# Altium PCB DIOT_temperature_logger.PcbDoc (part 1 of 8)
Units mm, origin at the board's own origin, x right, y up, seen from the top; angles counter-clockwise.
Board outline 300.88 x 109 mm, 4 copper layers (TOP, MID1, MID2, BOT), stack 1.564 mm thick; 654 components, 622 nets, 3422 pads, 1095 vias.
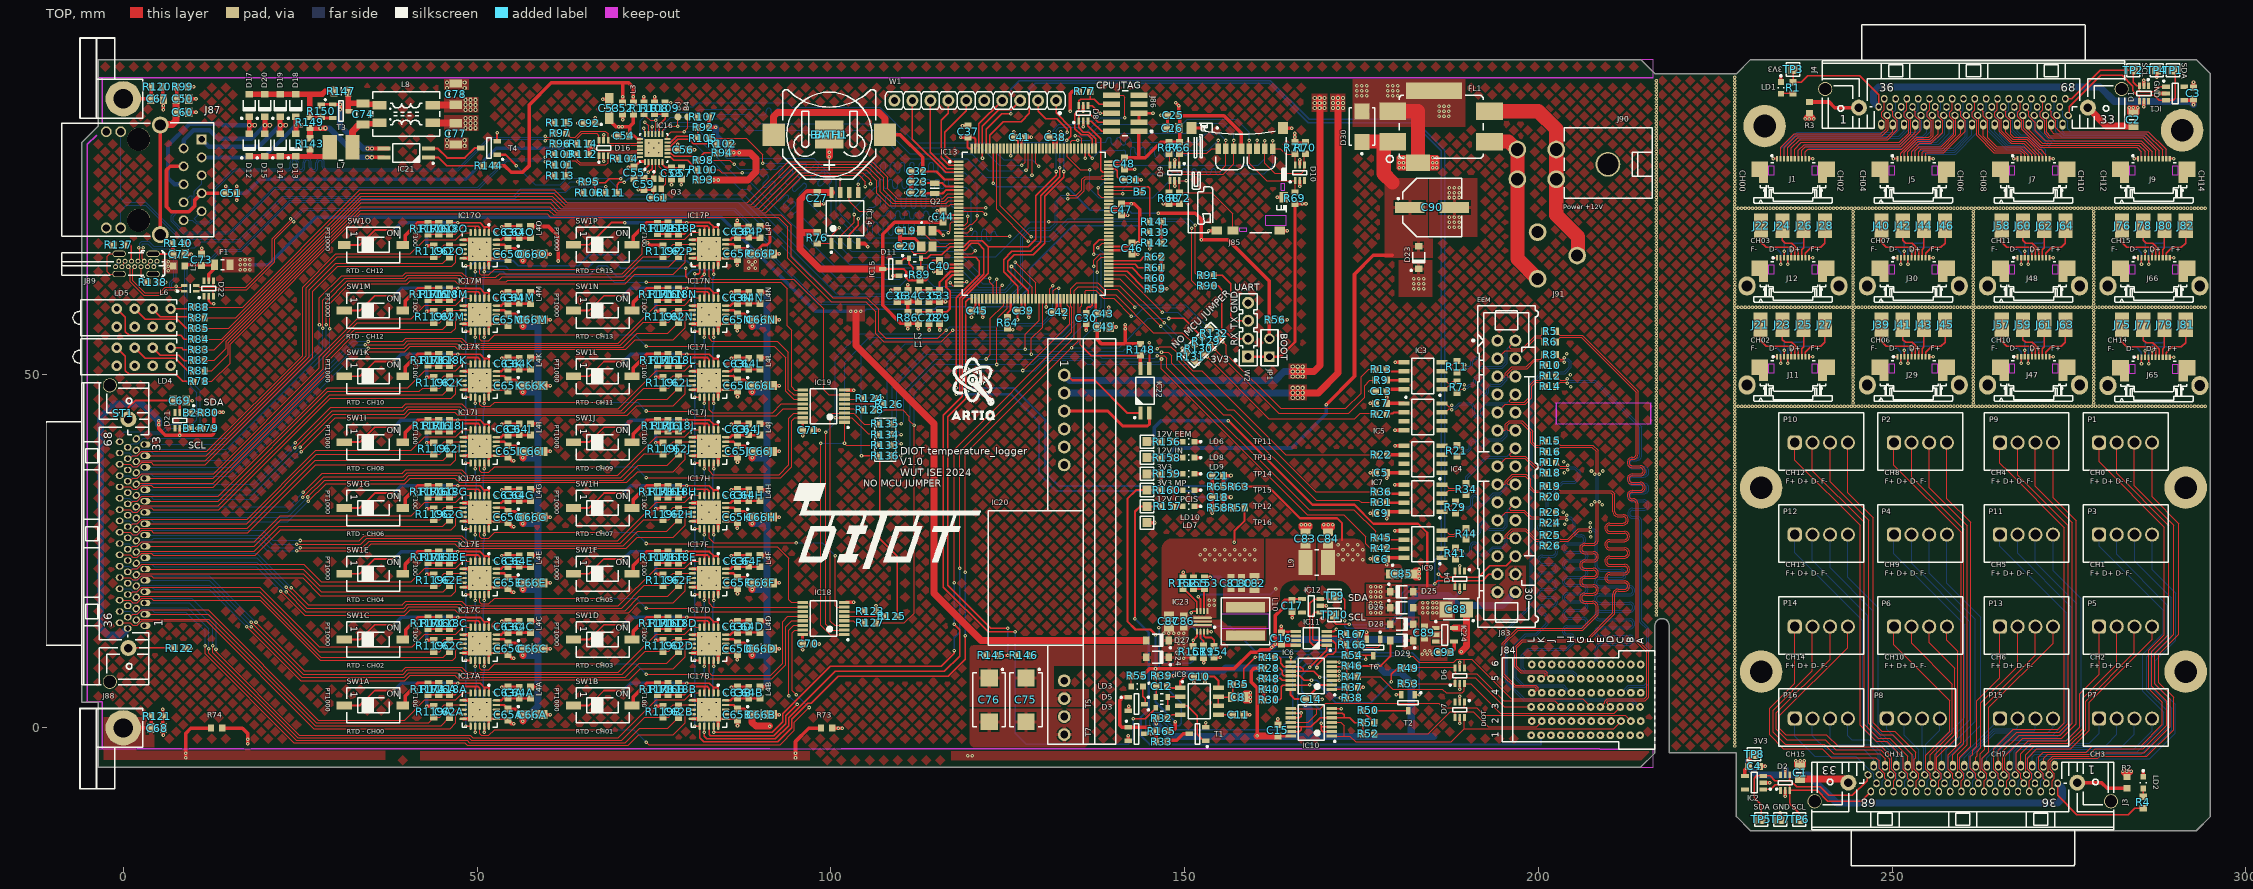
[diagram p0: TOP view]
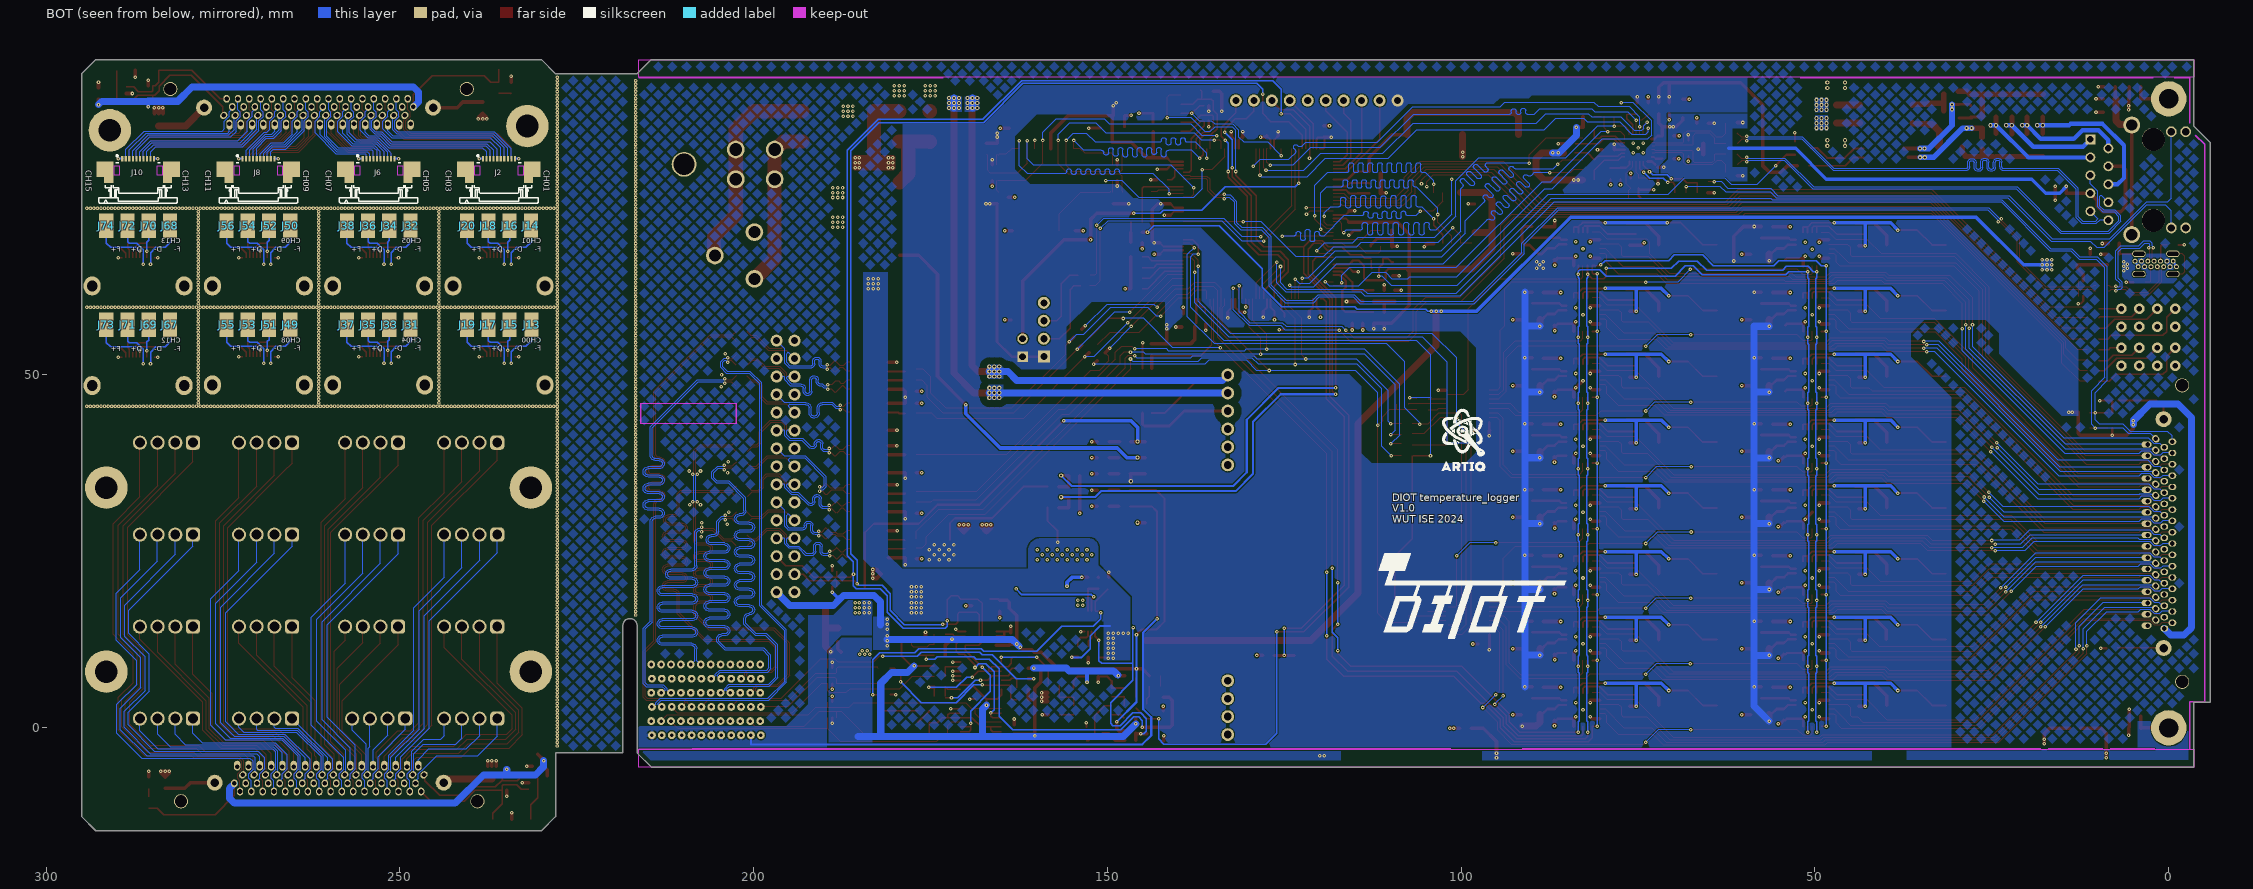
[diagram p1: BOT view, seen from below]
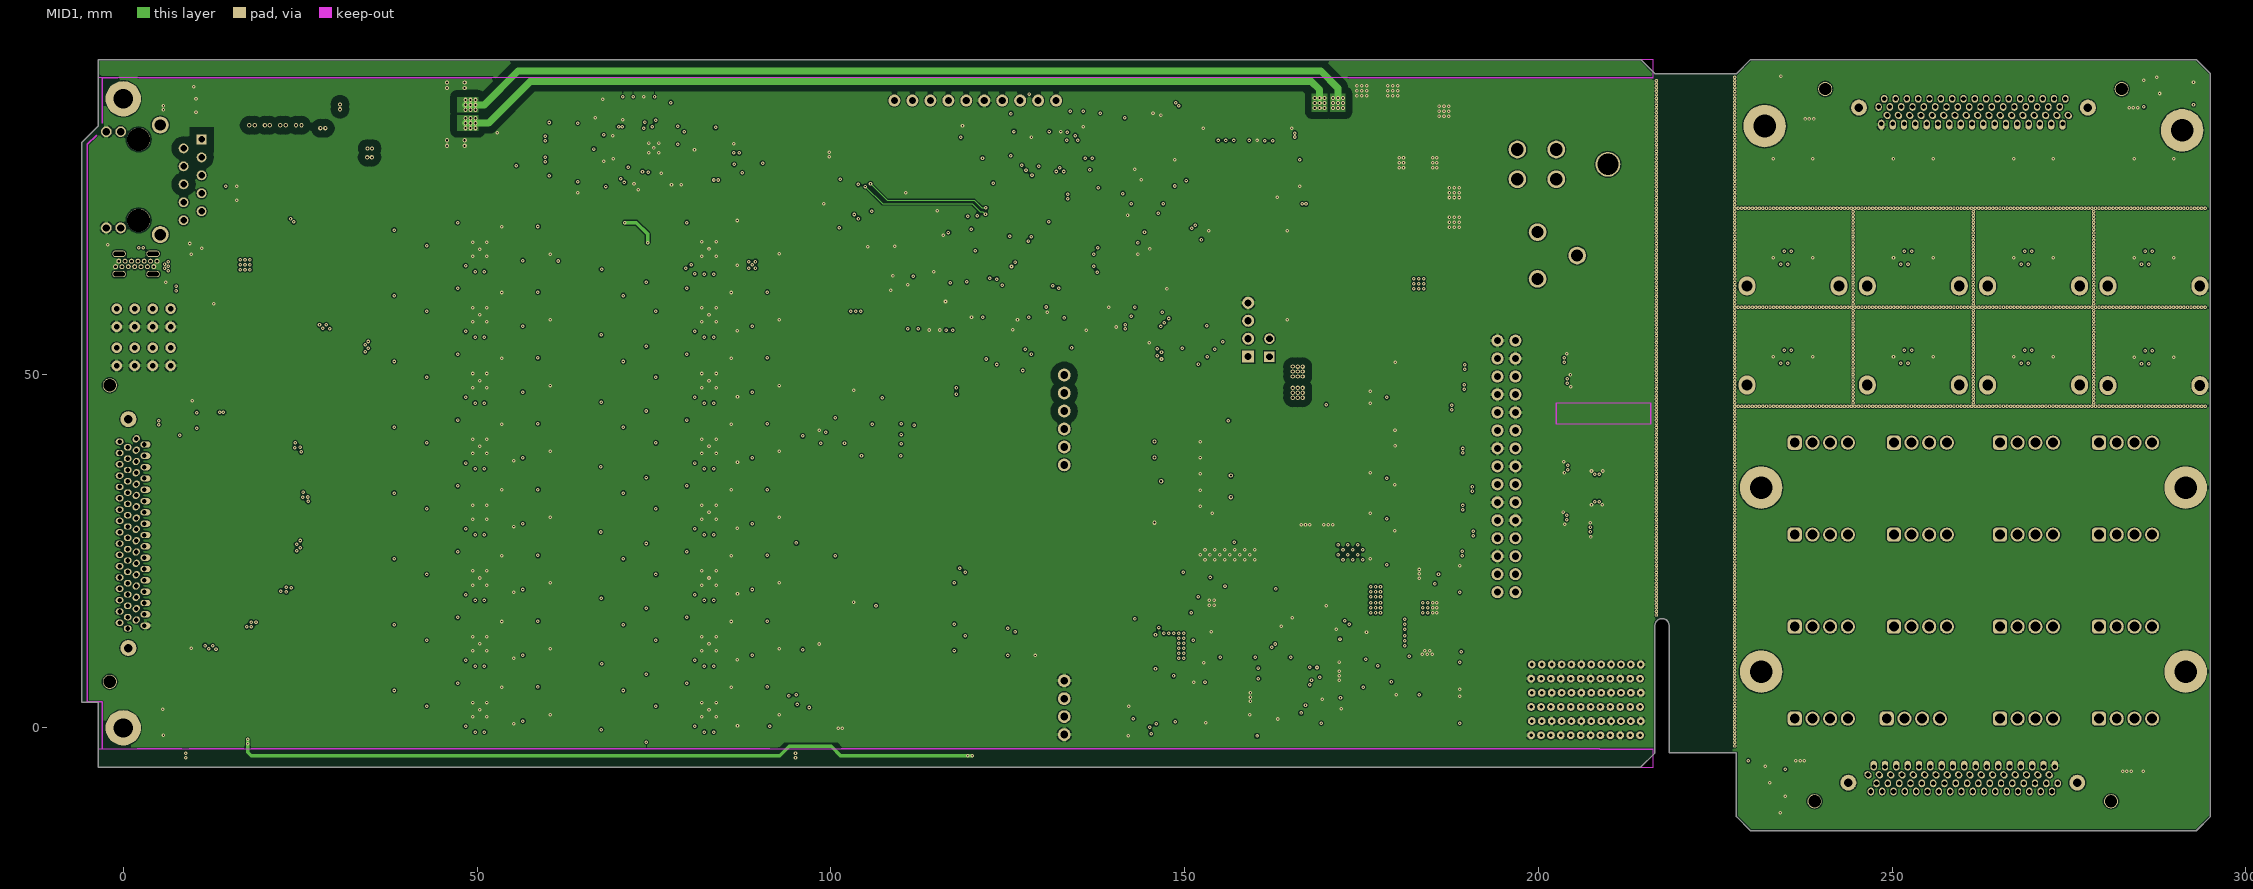
[diagram p2: MID1]
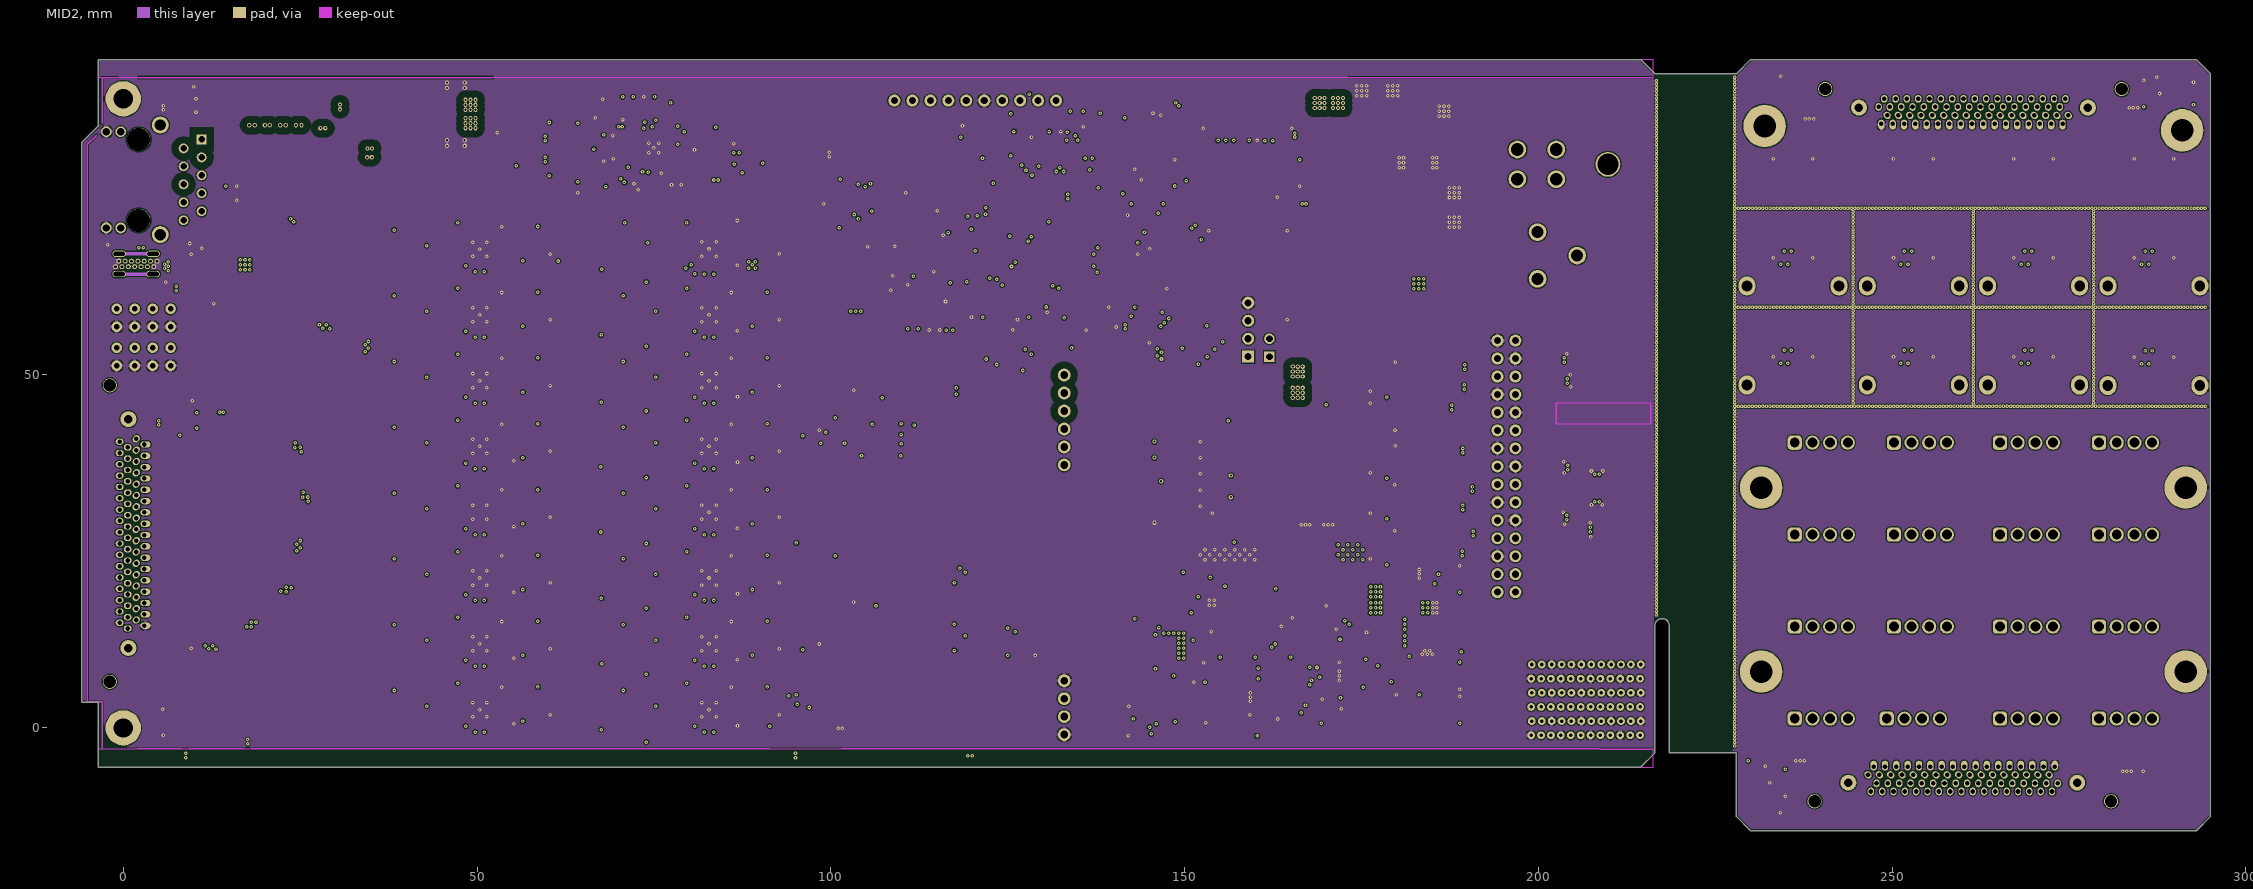
[diagram p3: MID2]

## Layer stack, top to bottom
TopSolder: solder mask 0.01, Solder Resist, Dk 3.5
TOP: signal copper 0.035
TOP 3313*1: prepreg 0.0994, PP-006, Dk 4.1
MID1: signal copper 0.0152
Dielectric2: core 1.265, Core-042, Dk 4.6
MID2: signal copper 0.0152
BOT 3313*1: prepreg 0.0994, PP-006, Dk 4.1
BOT: signal copper 0.035
BottomSolder: solder mask 0.01, Solder Resist, Dk 3.5

## Board outline
-5.9,3.65 -3.57,3.65 -3.57,-5.55 214.469,-5.55 216.469,-3.55 216.469,14.462 216.469,14.45 cw(c217.469,14.45) 218.469,14.45 218.469,-3.55 227.979,-3.55 227.979,-12.549 229.98,-14.55 292.98,-14.55 294.98,-12.55 294.98,92.45 292.98,94.45 229.98,94.45 227.98,92.45 216.469,92.45 214.469,94.45 -3.469,94.45 -3.57,94.349 -3.57,85.025 -5.9,82.695

## Design rules (kind name [scope] priority, off if disabled: settings)
AcuteAngle [All] p1: minimum=4.50000000000000E+0001 checktracksonly=FALSE
BoardOutlineClearance BoardOutlineClearance_silk [OnLayer('TopOverlay')] p1: gap=0 ignorepadtopadclearanceinfootprint=FALSE
BoardOutlineClearance [All] p2: gap=0.254 ignorepadtopadclearanceinfootprint=FALSE except(0: Arc-SplitContinuation Track-SplitContinuation SMDPad-SplitContinuation THPad-SplitContinuation Via-SplitContinuation Fill-SplitContinuation Poly-SplitContinuation Region-SplitContinuation Text-SplitContinuation)
Clearance Clearance_MOLEX_52745_1097 [All vs HasFootprint('MOLEX_52745-1097')] p1: gap=0.127 ignorepadtopadclearanceinfootprint=FALSE except(0: SMDPad-Fill SMDPad-Poly SMDPad-Region; 0.152: Arc-Hole Track-Hole SMDPad-Hole THPad-Hole Via-Hole Fill-Hole Poly-Hole Region-Hole Text-Hole)
Clearance Clearance_SDcard [InNet('SD_CK') vs InNetClass('SD')] p2 off: gap=0.102 ignorepadtopadclearanceinfootprint=FALSE except(0.508: Arc-Arc Arc-Track Track-Track Via-Via Via-Fill Via-Poly Via-Region Via-Text Via-Hole Fill-Fill Fill-Poly Fill-Region Fill-Text Fill-Hole Poly-Poly Poly-Region Poly-Text Poly-Hole Region-Region Region-Text Region-Hole Text-Text Text-Hole)
Clearance Clearance_HV [InNetClass('HV') vs not InNetClass('HV')] p3: gap=1 ignorepadtopadclearanceinfootprint=TRUE
Clearance Clearance_DIFF [(InDifferentialPairClass('All Differential Pairs')and IsTrack ) vs (InDifferentialPairClass('All Differential Pairs') and IsTrack  )] p4 off: gap=0.127 ignorepadtopadclearanceinfootprint=FALSE except(0.254: Arc-Hole Track-Hole SMDPad-Hole THPad-Hole Via-Hole Fill-Hole Poly-Hole Region-Hole Text-Hole)
Clearance [All] p5: gap=0.127 ignorepadtopadclearanceinfootprint=FALSE except(0.152: Arc-Fill Arc-Poly Arc-Region Track-Fill Track-Poly Track-Region SMDPad-Fill SMDPad-Poly SMDPad-Region THPad-Fill THPad-Poly THPad-Region Via-Fill Via-Poly Via-Region; 0.203: Arc-Hole Track-Hole SMDPad-Hole THPad-Hole Via-Hole Fill-Hole Poly-Hole Region-Hole Text-Hole; 0.254: Fill-Fill Fill-Poly Fill-Region Poly-Poly Poly-Region Region-Region)
ComponentClearance [All] p1: gap=0 collisioncheckmode=3 verticalgap=0 showdistances=FALSE
DiffPairsRouting DiffPairsRouting_PHY_T [InDifferentialPairClass('PHY_T')] p1: maxlimit=0.203 minlimit=0.152 mostfreqgap=0.203 toplayer_maxgap=0.152 toplayer_prefgap=0.152 toplayer_minwidth=0.127 toplayer_maxwidth=0.127 toplayer_prefwidth=0.127 midlayer1_mingap=0.203 midlayer1_minwidth=0.102 midlayer1_maxwidth=0.102 midlayer1_prefwidth=0.102 midlayer2_mingap=0.203 midlayer2_minwidth=0.102 midlayer2_maxwidth=0.102 midlayer2_prefwidth=0.102 bottomlayer_maxgap=0.152 bottomlayer_prefgap=0.152 bottomlayer_minwidth=0.127 bottomlayer_maxwidth=0.127 bottomlayer_prefwidth=0.127 impedanceprofiledriven=TRUE impedanceprofileid={72595B2D-DB80-4762-8402-0ED76FD3E2C2} impedanceprofilevalue=100.000000 maxuncoupledlength=15
DiffPairsRouting DiffPairsRouting_PHY [InDifferentialPairClass('PHY')] p2: maxlimit=0.203 minlimit=0.152 mostfreqgap=0.203 toplayer_maxgap=0.152 toplayer_prefgap=0.152 toplayer_minwidth=0.127 toplayer_maxwidth=0.127 toplayer_prefwidth=0.127 midlayer1_mingap=0.203 midlayer1_minwidth=0.102 midlayer1_maxwidth=0.102 midlayer1_prefwidth=0.102 midlayer2_mingap=0.203 midlayer2_minwidth=0.102 midlayer2_maxwidth=0.102 midlayer2_prefwidth=0.102 bottomlayer_maxgap=0.152 bottomlayer_prefgap=0.152 bottomlayer_minwidth=0.127 bottomlayer_maxwidth=0.127 bottomlayer_prefwidth=0.127 impedanceprofiledriven=TRUE impedanceprofileid={72595B2D-DB80-4762-8402-0ED76FD3E2C2} impedanceprofilevalue=100.000000 maxuncoupledlength=12.7
DiffPairsRouting DiffPairsRouting_USB [InDifferentialPairClass('USB')] p3: maxlimit=0.152 minlimit=0.127 mostfreqgap=0.152 toplayer_mingap=0.152 toplayer_minwidth=0.16 toplayer_maxwidth=0.16 toplayer_prefwidth=0.16 midlayer1_maxgap=0.127 midlayer1_prefgap=0.127 midlayer1_minwidth=0.108 midlayer1_maxwidth=0.108 midlayer1_prefwidth=0.108 midlayer2_maxgap=0.127 midlayer2_prefgap=0.127 midlayer2_minwidth=0.108 midlayer2_maxwidth=0.108 midlayer2_prefwidth=0.108 bottomlayer_mingap=0.152 bottomlayer_minwidth=0.16 bottomlayer_maxwidth=0.16 bottomlayer_prefwidth=0.16 impedanceprofiledriven=TRUE impedanceprofileid={037889F8-43CA-405E-8561-61A34FA8F9C2} impedanceprofilevalue=90.000000 maxuncoupledlength=12.7
DiffPairsRouting DiffPairsRouting_LVDS [InDifferentialPairClass('BP_IO') or InDifferentialPairClass('LVDS')] p4: maxlimit=0.152 minlimit=0.127 mostfreqgap=0.152 toplayer_mingap=0.152 toplayer_minwidth=0.127 toplayer_maxwidth=0.127 toplayer_prefwidth=0.127 midlayer1_maxgap=0.127 midlayer1_prefgap=0.127 midlayer1_minwidth=0.081 midlayer1_maxwidth=0.081 midlayer1_prefwidth=0.081 midlayer2_maxgap=0.127 midlayer2_prefgap=0.127 midlayer2_minwidth=0.081 midlayer2_maxwidth=0.081 midlayer2_prefwidth=0.081 bottomlayer_mingap=0.152 bottomlayer_minwidth=0.127 bottomlayer_maxwidth=0.127 bottomlayer_prefwidth=0.127 impedanceprofiledriven=TRUE impedanceprofileid={ED597564-6D22-4C41-AEDB-F21F24BAB821} impedanceprofilevalue=100.000000 maxuncoupledlength=12.7
FabricationTestPointUsage TestPointUsage [All] p1: valid=0 allowmultiple=FALSE
FabricationTestpoint Testpoint [All] p1: side=3 testpointundercomponent=TRUE minsize=1.016 maxsize=2.54 preferedsize=1.524 minholesize=0.508 maxholesize=1.016 preferedholesize=0.813 testpointgrid=0.025 allowsidetop=TRUE allowsidebottom=TRUE usegrid=TRUE gridtolerance=0
Height [All] p1: minheight=0 maxheight=40 prefheight=40
HoleSize [All] p1: absolutevalues=TRUE maxlimit=3.81 minlimit=0.025 maxpercent=80.000 minpercent=20.000
HoleToHoleClearance [All] p1: gap=0.025 allowstackedmicrovias=TRUE
MatchedLengths "Schematic Matched Net Lengths_7" [InNet('PHY_TD_P')] p1: tolerance=2.54 checknetsindiffpair=TRUE checkdiffpairvsdiffpair=FALSE checkxsignals=FALSE checkothers=FALSE
MatchedLengths "Schematic Matched Net Lengths_6" [InNet('PHY_TD_N')] p2: tolerance=2.54 checknetsindiffpair=TRUE checkdiffpairvsdiffpair=FALSE checkxsignals=FALSE checkothers=FALSE
MatchedLengths "Schematic Matched Net Lengths_5" [InNet('PHY_RD_N')] p3: tolerance=2.54 checknetsindiffpair=TRUE checkdiffpairvsdiffpair=FALSE checkxsignals=FALSE checkothers=FALSE
MatchedLengths "Schematic Matched Net Lengths_4" [InNet('PHY_RD_P')] p4: tolerance=2.54 checknetsindiffpair=TRUE checkdiffpairvsdiffpair=FALSE checkxsignals=FALSE checkothers=FALSE
MatchedLengths MatchedLengths_PHY [InDifferentialPairClass('PHY')] p5: tolerance=25.4 checknetsindiffpair=FALSE checkdiffpairvsdiffpair=TRUE checkxsignals=TRUE checkothers=TRUE usedelayunits=TRUE delaytolerance=10.000000
MatchedLengths [InNetClass('PHY_T')] p6: tolerance=25.4 checknetsindiffpair=FALSE checkdiffpairvsdiffpair=TRUE checkxsignals=TRUE checkothers=TRUE usedelayunits=TRUE delaytolerance=10.000000
MatchedLengths MatchedLengths_BP_IO [InNetClass('BP_IO')] p7: tolerance=2.54 checknetsindiffpair=FALSE checkdiffpairvsdiffpair=TRUE checkxsignals=TRUE checkothers=TRUE
MatchedLengths MatchedLengths_RMII [InNetClass('RMII')] p8: tolerance=0.254 checknetsindiffpair=FALSE checkdiffpairvsdiffpair=TRUE checkxsignals=TRUE checkothers=TRUE usedelayunits=TRUE delaytolerance=10.000000
MatchedLengths MatchedLengths_LVDS_DIFF [InNetClass('LVDS')] p9 off: tolerance=0.254 checknetsindiffpair=TRUE checkdiffpairvsdiffpair=FALSE checkxsignals=FALSE checkothers=FALSE usedelayunits=TRUE delaytolerance=20.000000
MatchedLengths MatchedLengths_USB [InNetClass('USB')] p10: tolerance=2 checknetsindiffpair=TRUE checkdiffpairvsdiffpair=FALSE checkxsignals=FALSE checkothers=FALSE
MatchedLengths MatchedLengths_SD [InNetClass('SD')] p11: tolerance=1.27 checknetsindiffpair=TRUE checkdiffpairvsdiffpair=FALSE checkxsignals=FALSE checkothers=FALSE
MatchedLengths MatchedLengths_LVDS_PAIR [InNetClass('LVDS')] p12: tolerance=2 checknetsindiffpair=FALSE checkdiffpairvsdiffpair=TRUE checkxsignals=TRUE checkothers=TRUE
MatchedLengths MatchedLengths_QSPI [InNetClass('QSPI')] p13: tolerance=1.016 checknetsindiffpair=FALSE checkdiffpairvsdiffpair=TRUE checkxsignals=TRUE checkothers=TRUE usedelayunits=TRUE delaytolerance=5.000000
MinimumSolderMaskSliver [All] p1: minsoldermaskwidth=0.102
ParallelSegment ParallelSegment_USB [InNetClass('USB')] p1: limit=254 gap=0.254
ParallelSegment ParallelSegment_RMII [InNetClass('RMII')] p2: limit=10 gap=0.5
ParallelSegment ParallelSegment_LVDS [InNetClass('LVDS')] p3: limit=10 gap=0.5
ParallelSegment ParallelSegment_SPI [InNetClass('SPI')] p4: limit=20 gap=0.5
ParallelSegment ParallelSegment_PHY [InNetClass('PHY')] p5: limit=10 gap=0.5
ParallelSegment ParallelSegment_SD [InNetClass('SD')] p6: limit=10 gap=0.5
ParallelSegment ParallelSegment_QSPI [InNetClass('QSPI')] p7: limit=10 gap=0.533
PlaneClearance PlaneClearance_HV [InNetClass('HV')] p1: clearance=1
PlaneClearance [All] p2: clearance=0.2
PlaneConnect [All] p1: pad.planeconnectstyle=Relief pad.reliefexpansion=0.254 pad.reliefentries=4 pad.reliefconductorwidth=0.254 pad.reliefairgap=0.152 via.planeconnectstyle=Direct via.reliefexpansion=0.508 via.reliefentries=4 via.reliefconductorwidth=0.254 via.reliefairgap=0.254
PolygonConnect [isVia] p1: connectstyle=Direct reliefconductorwidth=0.254 reliefentries=4 polygonreliefangle="90 Angle" airgapwidth=0.254
PolygonConnect PolygonConnect_LDO [HasFootprint('SON50P300X300X80-9N-R170X244')] p2: connectstyle=Direct reliefconductorwidth=0.254 reliefentries=4 polygonreliefangle="90 Angle" airgapwidth=0.254
PolygonConnect PolygonConnect_SO8 [All vs HasFootprint('SOIC127P600X175-8N')] p3: connectstyle=Direct reliefconductorwidth=0.254 reliefentries=4 polygonreliefangle="90 Angle" airgapwidth=0.254
PolygonConnect PowerPolygon [All vs HasFootprint('TEXAS_RGX0011A')] p4: connectstyle=Direct reliefconductorwidth=0.254 reliefentries=4 polygonreliefangle="90 Angle" airgapwidth=0.254
PolygonConnect PowerPolygon_1 [All vs HasFootprint('IND_TDK_SPM6530')] p5: connectstyle=Direct reliefconductorwidth=0.254 reliefentries=4 polygonreliefangle="90 Angle" airgapwidth=0.254
PolygonConnect PowerPolygon_USB [All vs HasFootprint('KYCON_KUSBX-SL-CS1N14-B')] p6: connectstyle=Direct reliefconductorwidth=0.254 reliefentries=4 polygonreliefangle="90 Angle" airgapwidth=0.254
PolygonConnect PolygonConnect_Power [InComponent('C155') or InComponent('C156') or  InComponent('C157') or  InComponent('C158') or InComponent('C163') or InComponent('C164')  or InComponent('C165')or InComponent('C167') or InComponent('L2_1')  or InComponent('L2_2') or InComponent('L2_3') or InComponent('L2_4')    or InComponent('L4_1')  or InComponent('L4_2') or InComponent('L4_3') or InComponent('L4_4')] p7: connectstyle=Relief reliefconductorwidth=0.4 reliefentries=4 polygonreliefangle="90 Angle" airgapwidth=0.254
PolygonConnect PolygonConnect_BGA [HasFootprint('LGA25C127P5X5_625X625X192')] p8: connectstyle=Direct reliefconductorwidth=0.254 reliefentries=4 polygonreliefangle="90 Angle" airgapwidth=0.254
PolygonConnect PolygonConnect_pad [All] p9: thpad.connectstyle=Relief thpad.reliefconductorwidth=0.508 thpad.reliefentries=4 thpad.polygonreliefangle="90 Angle" thpad.airgapwidth=0.203 smdpad.connectstyle=Relief smdpad.reliefconductorwidth=0.508 smdpad.reliefentries=4 smdpad.polygonreliefangle="90 Angle" smdpad.airgapwidth=0.203 via.connectstyle=Direct via.reliefconductorwidth=0.254 via.reliefentries=4 via.polygonreliefangle="90 Angle" via.airgapwidth=0.152
ReturnPath ReturnPath_PHY_T [InNetClass('PHY_T')] p1: impedanceprofileid={72595B2D-DB80-4762-8402-0ED76FD3E2C2} _gaplimit=0 _useantipads=TRUE
ReturnPath ReturnPath_PHY [InNetClass('PHY')] p2: impedanceprofileid={72595B2D-DB80-4762-8402-0ED76FD3E2C2} _gaplimit=0 _useantipads=TRUE
ReturnPath ReturnPath_LVDS [InNetClass('LVDS')] p3: impedanceprofileid={ED597564-6D22-4C41-AEDB-F21F24BAB821} _gaplimit=0 _useantipads=TRUE
ReturnPath ReturnPath_SD [InNetClass('SD')] p4: impedanceprofileid={20DC70F6-4B95-4518-9551-CADF6722EEF5} _gaplimit=0 _useantipads=TRUE
ReturnPath ReturnPath_QSPI [InNetClass('QSPI')] p5: impedanceprofileid={86676834-1970-432C-9602-162800B75D81} _gaplimit=0 _useantipads=TRUE
ReturnPath ReturnPath_USB [InNetClass('USB')] p6: impedanceprofileid={037889F8-43CA-405E-8561-61A34FA8F9C2} _gaplimit=0 _useantipads=TRUE
ReturnPath ReturnPath_RMII [InNetClass('RMII')] p7: impedanceprofileid={95436CA8-0AF9-48FC-8836-A3859236161A} _gaplimit=0 _useantipads=TRUE
RoomDefinition RTD_15 [InComponentClass('RTD_15')] p1: confinementstyle=ConfineIn formatcopy=TRUE lockcomponents=FALSE outline 67.6,121.4 98.1,121.4 98.1,129.925 67.6,129.925
RoomDefinition RTD_10 [InComponentClass('RTD_10')] p2: confinementstyle=ConfineIn formatcopy=TRUE lockcomponents=FALSE outline 35.2,102.8 65.7,102.8 65.7,111.325 35.2,111.325
RoomDefinition RTD_14 [InComponentClass('RTD_14')] p3: confinementstyle=ConfineIn formatcopy=TRUE lockcomponents=FALSE outline 35.2,121.375 65.7,121.375 65.7,129.9 35.2,129.9
RoomDefinition RTD_12 [InComponentClass('RTD_12')] p4: confinementstyle=ConfineIn formatcopy=TRUE lockcomponents=FALSE outline 35.2,112.1 65.7,112.1 65.7,120.625 35.2,120.625
RoomDefinition RTD_00 [InComponentClass('RTD_00')] p5: confinementstyle=ConfineIn formatcopy=TRUE lockcomponents=FALSE outline 35.2,56.3 65.7,56.3 65.7,64.825 35.2,64.825
RoomDefinition RTD_08 [InComponentClass('RTD_08')] p6: confinementstyle=ConfineIn formatcopy=TRUE lockcomponents=FALSE outline 35.2,93.5 65.7,93.5 65.7,102.025 35.2,102.025
RoomDefinition RTD_01 [InComponentClass('RTD_01')] p7: confinementstyle=ConfineIn formatcopy=TRUE lockcomponents=FALSE outline 67.6,56.3 98.1,56.3 98.1,64.825 67.6,64.825
RoomDefinition RTD_02 [InComponentClass('RTD_02')] p8: confinementstyle=ConfineIn formatcopy=TRUE lockcomponents=FALSE outline 35.2,65.6 65.7,65.6 65.7,74.125 35.2,74.125
RoomDefinition RTD_05 [InComponentClass('RTD_05')] p9: confinementstyle=ConfineIn formatcopy=TRUE lockcomponents=FALSE outline 67.6,74.9 98.1,74.9 98.1,83.425 67.6,83.425
RoomDefinition RTD_06 [InComponentClass('RTD_06')] p10: confinementstyle=ConfineIn formatcopy=TRUE lockcomponents=FALSE outline 35.2,84.2 65.7,84.2 65.7,92.725 35.2,92.725
RoomDefinition RTD_04 [InComponentClass('RTD_04')] p11: confinementstyle=ConfineIn formatcopy=TRUE lockcomponents=FALSE outline 35.2,74.9 65.7,74.9 65.7,83.425 35.2,83.425
RoomDefinition RTD_09 [InComponentClass('RTD_09')] p12: confinementstyle=ConfineIn formatcopy=TRUE lockcomponents=FALSE outline 67.6,93.5 98.1,93.5 98.1,102.025 67.6,102.025
RoomDefinition RTD_13 [InComponentClass('RTD_13')] p13: confinementstyle=ConfineIn formatcopy=TRUE lockcomponents=FALSE outline 67.6,112.1 98.1,112.1 98.1,120.625 67.6,120.625
RoomDefinition RTD_03 [InComponentClass('RTD_03')] p14: confinementstyle=ConfineIn formatcopy=TRUE lockcomponents=FALSE outline 67.6,65.6 98.1,65.6 98.1,74.125 67.6,74.125
RoomDefinition RTD_07 [InComponentClass('RTD_07')] p15: confinementstyle=ConfineIn formatcopy=TRUE lockcomponents=FALSE outline 67.6,84.2 98.1,84.2 98.1,92.725 67.6,92.725
RoomDefinition RTD_11 [InComponentClass('RTD_11')] p16: confinementstyle=ConfineIn formatcopy=TRUE lockcomponents=FALSE outline 67.6,102.8 98.1,102.8 98.1,111.325 67.6,111.325
RoutingVias RoutingVias_HPOW [InNetClass('HPOW')] p1: holewidth=0.711 width=1.27 viastyle="Through Hole" minholewidth=0.711 minwidth=1.27 maxholewidth=0.711 maxwidth=1.27 useviatemplates=TRUE viatemplateguid#1={F578D057-30EB-4709-90BA-9E25A9306484} viatemplateguid#2={6605E65E-035D-4D93-8F05-68D63B13B5A7} viatemplatename#1=v50h20m0mx0 viatemplatename#2=v60h30m0mx0